# Altium PCB Computer_Board.PcbDoc (part 5 of 5)
Units mm, origin at the board's own origin, x right, y up, seen from the top; angles counter-clockwise.
Board outline 210 x 125 mm, 4 copper layers (Top Layer, Layer 1, Layer 2, Bottom Layer), stack 1.571 mm thick; 443 components, 406 nets, 2112 pads, 1064 vias.
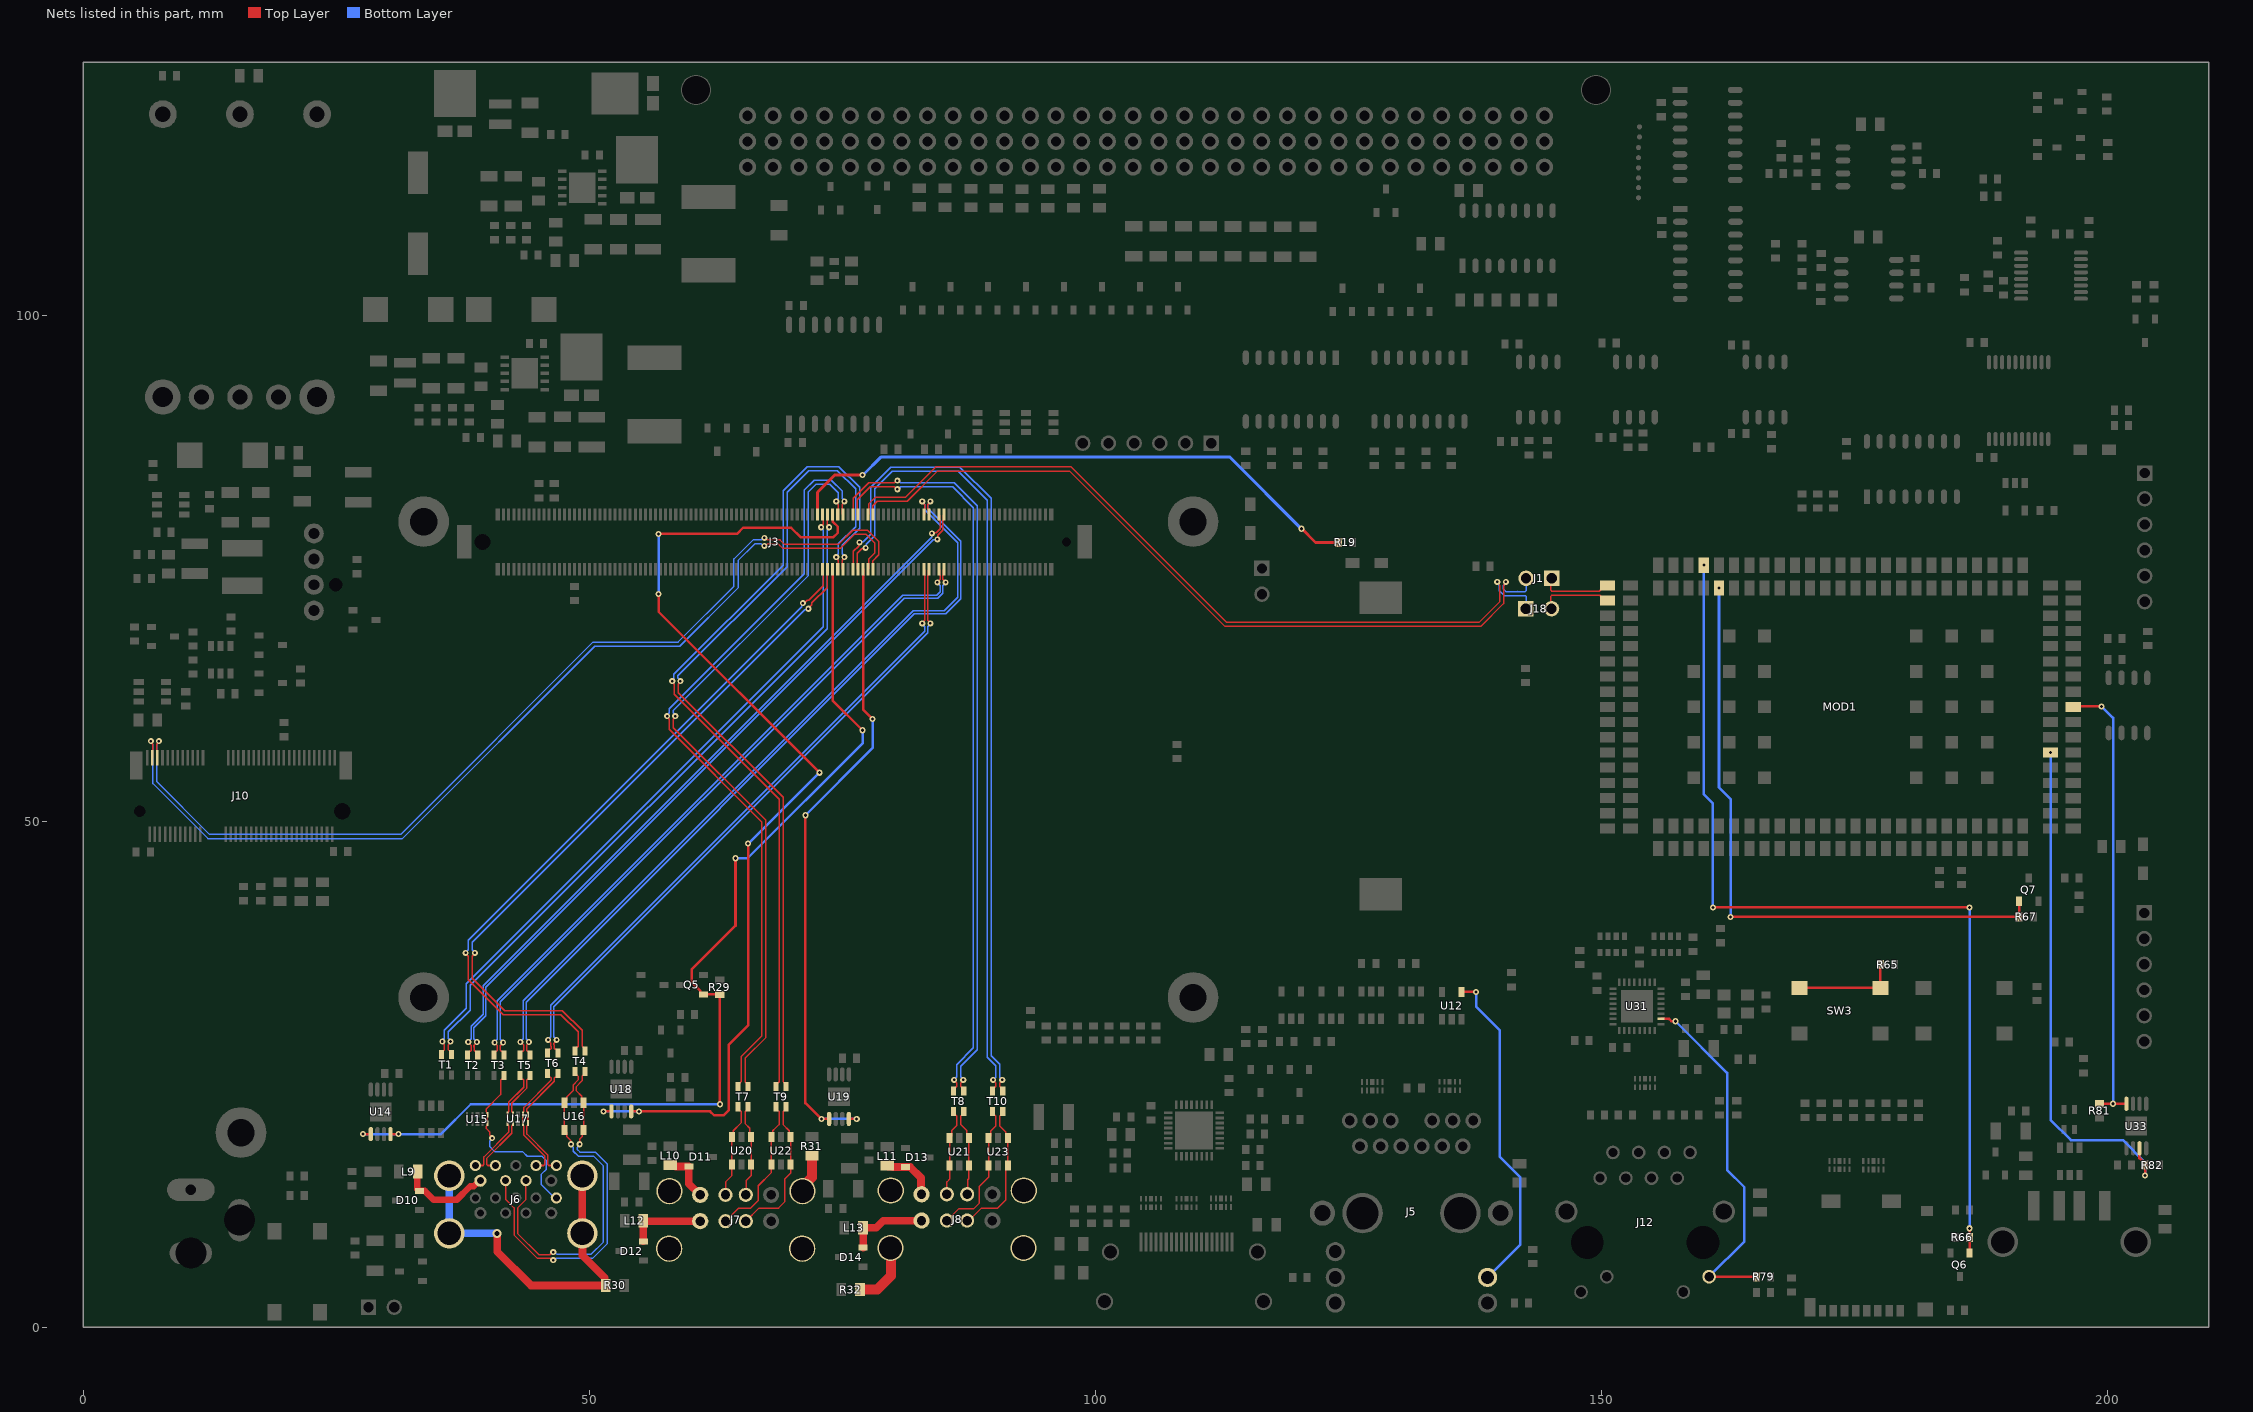
[diagram p7: the nets of this part, all layers, seen from the top]

## Via types
v1: diameter 0.6, hole 0.3, Top Layer to Bottom Layer, tented both sides, 853 vias
v2: diameter 0.6, hole 0.3, Top Layer to Bottom Layer, 91 vias
v3: diameter 0.6, hole 0.25, Top Layer to Bottom Layer, tented both sides, 88 vias
v4: diameter 0.5, hole 0.2, Top Layer to Bottom Layer, tented both sides, 20 vias
v5: diameter 0.45, hole 0.2, Top Layer to Bottom Layer, tented both sides, 5 vias
v6: diameter 0.8, hole 0.4, Top Layer to Bottom Layer, tented both sides, 4 vias
v7: diameter 0.9, hole 0.5, Top Layer to Bottom Layer, tented both sides, 3 vias

## Nets (pads, with @x,y where several pads share a name; then routed paths per layer and width w, separated by ;. In a path a pad name is that pad's centre, name@x,y a point inside that pad or via, vN(x,y) a via of type N, cw(c..) or ccw(c..) an arc to the next point about the centre after c; other vN are vias at no path point) (continued)
USB0_C_TX_P: J6.9 T3.2 U15.5 U15.6 | length 19
  Top Layer w0.15: v3(40.4,18.7) 40.4,18.783 40.17,19.013 40.17,19.318 39.845,19.643 39.845,19.881 39.95,19.985 U15.5@39.95,20.168 U15.6@39.95,21.004 39.95,21.187 39.845,21.292 39.845,21.603 41.25,23.008 41.25,23.88 41.25,24.437 41.338,24.525 41.405,24.525 41.58,24.7 T3.2@41.58,24.9
  Bottom Layer w0.15: v3(40.4,18.7) 40.4,18.617 40.17,18.387 40.17,17.88 40.705,17.345 43.455,17.345 43.878,16.922 45.328,16.922 45.75,16.5 45.75,15.6 45.25,15.1 45.25,14.15 46.6,12.8 J6.9@46.75,12.8
USB0_N: J3.A45 T1.1 | length 69.3
  Top Layer w0.14: J3.A45@73.55,80.3 73.495,80.245 73.495,79.362 73.7,79.157 v3(73.7,79.05)
  Top Layer w0.15: v3(36.3,28.25) 36.3,28.137 36.1,27.937 36.1,27.413 36.188,27.325 36.225,27.325 36.4,27.15 T1.1@36.4,26.95
  Bottom Layer w0.14: v3(36.3,28.25) 36.3,28.357 36.095,28.562 36.095,29.202 38.25,31.358 38.25,33.8 73.49,69.04 73.49,77.553 73.495,77.558 73.495,78.738 73.7,78.943 v3(73.7,79.05)
USB0_P: J3.A46 T1.4 | length 69.3
  Top Layer w0.14: v3(72.9,79.05) 72.9,79.157 73.105,79.362 73.105,80.245 J3.A46@73.05,80.3
  Top Layer w0.15: T1.4@35.4,26.95 35.4,27.15 35.575,27.325 35.612,27.325 35.7,27.413 35.7,27.937 35.5,28.137 v3(35.5,28.25)
  Bottom Layer w0.14: v3(35.5,28.25) 35.5,28.357 35.705,28.562 35.705,29.364 37.86,31.519 37.86,33.962 73.1,69.202 73.1,77.714 73.105,77.719 73.105,78.738 72.9,78.943 v3(72.9,79.05)
USB1_5V: D10.2 J6.10 L9.1 | length 9.2
  Top Layer w0.65: L9.1@33.05,15.4 33,15.35 33,13.65 33.243,13.5 D10.2@33.25,13.5 33.7,13.5 cw(c33.7,13.379) 33.785,13.465 34.65,12.6 36.9,12.6 38.25,13.95 38.594,13.95 39.144,14.5 J6.10@39.25,14.5
USB1_C_N: J6.11 T4.2 U16.1 U16.6 | length 36.7
  Top Layer w0.15: J6.11@41.75,14.5 41.75,12.633 42.575,11.808 42.575,9.145 44.893,6.826 46.003,6.826 46.013,6.836 46.142,6.836 46.328,6.65 v3(46.45,6.65) ; v3(49.05,18.1) 49.05,18.6 49.313,18.863 49.313,19.363 U16.6@49.45,19.5 U16.1@49.45,22.2 49.266,22.384 49.266,22.834 48.7,23.4 48.7,23.766 49.3,24.366 49.3,24.837 49.388,24.925 49.425,24.925 49.6,25.1 T4.2@49.6,25.3
  Bottom Layer w0.15: v3(46.45,6.65) 46.572,6.65 46.772,6.85 50.366,6.85 51.8,8.284 51.8,16.116 50.587,17.329 49.079,17.329 48.825,17.583 48.825,17.787 49.05,18.012 v3(49.05,18.1)
USB1_C_P: J6.12 T4.3 U16.3 U16.4 | length 35.6
  Top Layer w0.15: J6.12@43.75,14.5 43.75,12.633 42.925,11.808 42.925,9.29 45.038,7.176 45.858,7.176 45.868,7.186 46.098,7.186 46.362,7.45 v3(46.45,7.45) ; v3(48.2,18.1) 48.154,18.146 48.154,18.496 47.759,18.891 47.759,19.291 U16.4@47.55,19.5 U16.3@47.55,22.2 47.775,22.425 47.775,22.775 48.416,23.416 48.416,23.966 48.9,24.45 48.9,24.837 48.812,24.925 48.775,24.925 48.6,25.1 T4.3@48.6,25.3
  Bottom Layer w0.15: v3(46.45,7.45) 46.572,7.45 46.772,7.25 50.2,7.25 51.4,8.45 51.4,15.95 50.421,16.929 48.913,16.929 48.425,17.417 48.425,17.787 48.2,18.012 v3(48.2,18.1)
USB1_C_RX_N: J6.14 T5.3 U17.1 U17.10 | length 11.6
  Top Layer w0.15: J6.14@38.75,16 39.517,16 39.605,16.088 39.605,16.85 42.055,19.3 42.055,19.912 41.95,20.017 U17.1@41.95,20.2 U17.10@41.95,21.036 41.95,21.219 42.055,21.324 42.055,22.265 43.525,23.735 43.525,24.437 43.437,24.525 43.345,24.525 43.17,24.7 T5.3@43.17,24.9
USB1_C_RX_P: J6.15 T5.2 U17.2 U17.9 | length 11.6
  Top Layer w0.15: J6.15@40.75,16 39.983,16 39.895,16.088 39.895,16.73 42.345,19.18 42.345,19.913 42.45,20.017 U17.2@42.45,20.2 U17.9@42.45,21.036 42.45,21.219 42.345,21.324 42.345,22.145 43.815,23.615 43.815,24.437 43.903,24.525 43.995,24.525 44.17,24.7 T5.2@44.17,24.9
USB1_C_TX_N: J6.17 T6.3 U17.4 U17.7 | length 12.2
  Top Layer w0.15: J6.17@44.75,16 45.517,16 45.605,16.088 45.605,16.93 43.555,18.98 43.555,19.912 43.45,20.017 U17.4@43.45,20.2 U17.7@43.45,21.036 43.45,21.219 43.555,21.324 43.555,21.737 46.255,24.437 46.255,24.637 46.167,24.725 46.075,24.725 45.9,24.9 T6.3@45.9,25.1
USB1_C_TX_P: J6.18 T6.2 U17.5 U17.6 | length 12.2
  Top Layer w0.15: J6.18@46.75,16 45.983,16 45.895,16.088 45.895,17.05 43.845,19.1 43.845,19.913 43.95,20.017 U17.5@43.95,20.2 U17.6@43.95,21.036 43.95,21.219 43.845,21.324 43.845,21.617 46.545,24.317 46.545,24.637 46.633,24.725 46.725,24.725 46.9,24.9 T6.2@46.9,25.1
USB1_DRVVBUS: MOD1.107 R82.1 U33.3 | length 51.7
  Top Layer w0.25: U33.3@203.15,17.7 203.13,17.68 203.13,16.739 203.475,16.394 203.475,16.275 R82.1@203.7,16.05 ; v1(203.7,15) R82.1@203.7,16.05 ; R82.1@203.7,16.15 R82.1@203.7,16.05
  Bottom Layer w0.25: v1(194.35,56.8) 194.35,20.5 196.35,18.5 201.5,18.5 203.7,16.3 v1(203.7,15)
USB1_N: J3.B45 T4.1 | length 70.5
  Top Layer w0.14: v3(38.7,37) 38.7,36.943 38.445,36.688 38.445,34.495 41.65,31.29 47.362,31.29 49.295,29.357 49.295,27.762 49.377,27.68 49.42,27.68 49.6,27.5 T4.1@49.6,27.3 ; v3(71.65,71) 71.65,71.07 71.976,71.395 71.976,71.574 73.495,73.093 73.495,74.845 J3.B45@73.55,74.9
  Bottom Layer w0.14: v3(38.7,37) 38.7,37.057 38.445,37.312 38.445,38.069 71.292,70.916 71.566,70.916 v3(71.65,71)
USB1_OCn: MOD1.93 R81.2 U33.8 | length 45.2
  Top Layer w0.25: MOD1.93@196.6,61.3 196.65,61.35 v1(199.4,61.35) ; R81.2@199.2,22.1 v1(200.525,22.1) U33.8@201.85,22.1
  Bottom Layer w0.25: v1(199.4,61.35) 200.525,60.225 v1(200.525,22.1)
USB1_P: J3.B46 T4.4 | length 70.5
  Top Layer w0.14: v3(37.8,37) 37.8,36.943 38.055,36.688 38.055,34.333 41.488,30.9 47.2,30.9 48.905,29.195 48.905,27.762 48.823,27.68 48.78,27.68 48.6,27.5 T4.4@48.6,27.3 ; v3(71.1,71.55) 71.221,71.55 71.521,71.85 71.7,71.85 73.105,73.255 73.105,74.845 J3.B46@73.05,74.9
  Bottom Layer w0.14: v3(37.8,37) 37.8,37.057 38.055,37.312 38.055,38.231 71.016,71.192 71.016,71.466 v3(71.1,71.55)
USB2_5V: D11.2 J7.1 L10.1 | length 5.2
  Top Layer w0.75: L10.1@58,16.05 58.1,15.95 58.5,15.95 58.55,15.9 D11.2@59.85,15.9 59.85,14.216 J7.1@60.966,13.1
USB2_C_N: J7.2 T7.3 U20.1 U20.6 | length 9.5
  Top Layer w0.15: J7.2@63.466,13.1 63.466,14.366 64.1,15 U20.1@64.1,16.1 U20.6@64.1,18.8 64.237,18.937 64.237,19.437 65,20.2 65,21.337 64.912,21.425 64.875,21.425 64.7,21.6 T7.3@64.7,21.8
USB2_C_P: J7.3 T7.2 U20.3 U20.4 | length 9.3
  Top Layer w0.15: J7.3@65.466,13.1 65.5,13.134 65.5,14.5 66,15 U20.3@66,16.1 U20.4@66,18.8 65.863,18.937 65.863,19.687 65.4,20.15 65.4,21.337 65.488,21.425 65.525,21.425 65.7,21.6 T7.2@65.7,21.8
USB2_N: J3.A42 T7.4 | length 76.5
  Top Layer w0.15: v3(57.7,60.4) 57.7,60.287 57.9,60.087 57.9,59.084 67.05,49.934 67.05,28.8 65,26.75 65,24.263 64.912,24.175 64.875,24.175 64.7,24 T7.4@64.7,23.8 ; J3.A42@75.05,80.3 75,80.35 75,81.287 75.2,81.487 v3(75.2,81.6)
  Bottom Layer w0.15: v3(57.7,60.4) 57.7,60.513 57.9,60.713 57.9,61.108 71.25,74.458 71.25,82.716 72.234,83.7 73.916,83.7 75,82.616 75,81.913 75.2,81.713 v3(75.2,81.6)
USB2_P: J3.A43 T7.1 | length 75.2
  Top Layer w0.15: v3(58.5,60.4) 58.5,60.287 58.3,60.087 58.3,59.25 67.45,50.1 67.45,28.634 65.4,26.584 65.4,24.263 65.488,24.175 65.525,24.175 65.7,24 T7.1@65.7,23.8 ; v3(74.4,81.6) 74.4,81.487 74.6,81.287 74.6,80.35 J3.A43@74.55,80.3
  Bottom Layer w0.15: v3(58.5,60.4) 58.5,60.513 58.3,60.713 58.3,60.942 71.65,74.292 71.65,82.55 72.4,83.3 73.75,83.3 74.6,82.45 74.6,81.913 74.4,81.713 v3(74.4,81.6)
USB3_5V: D12.2 J7.5 L12.1 | length 7.7
  Top Layer w0.75: D12.2@55.35,8.5 L12.1@55.35,10.55 55.4,10.5 J7.5@60.966,10.5
USB3_C_N: J7.6 T9.3 U22.1 U22.6 | length 14.3
  Top Layer w0.15: J7.6@63.466,10.5 64.766,11.8 65.95,11.8 66.7,12.55 66.7,14 68,15.3 U22.1@68,16.1 U22.6@68,18.8 68.137,18.937 68.137,19.437 68.4,19.7 68.75,20.05 68.75,21.337 68.662,21.425 68.625,21.425 68.45,21.6 T9.3@68.45,21.8
USB3_C_P: J7.7 T9.2 U22.3 U22.4 | length 14.7
  Top Layer w0.15: J7.7@65.466,10.5 66.766,11.8 68.7,11.8 69.3,12.4 69.3,14.65 69.9,15.25 U22.3@69.9,16.1 U22.4@69.9,18.8 69.763,18.937 69.763,19.437 69.15,20.05 69.15,21.337 69.238,21.425 69.275,21.425 69.45,21.6 T9.2@69.45,21.8
USB3_N: J3.B42 T9.4 | length 86.3
  Top Layer w0.14: v3(58.2,63.85) 58.2,63.743 58.405,63.538 58.405,62.543 68.755,52.193 68.755,24.262 68.673,24.18 68.63,24.18 68.45,24 T9.4@68.45,23.8 ; J3.B42@75.05,74.9 74.995,74.955 74.995,75.788 75.2,75.993 v3(75.2,76.1)
  Bottom Layer w0.14: v3(58.2,63.85) 58.2,63.974 58.365,64.139 58.365,64.516 69.16,75.312 69.16,82.662 71.538,85.04 74.662,85.04 76.7,83.002 76.7,78.95 74.995,77.245 74.995,76.412 75.2,76.207 v3(75.2,76.1)
USB3_P: J3.B43 T9.1 | length 85
  Top Layer w0.14: v3(59,63.85) 59,63.743 58.795,63.538 58.795,62.705 69.145,52.355 69.145,24.262 69.227,24.18 69.27,24.18 69.45,24 T9.1@69.45,23.8 ; v3(74.4,76.1) 74.4,75.993 74.605,75.788 74.605,74.955 J3.B43@74.55,74.9
  Bottom Layer w0.14: v3(59,63.85) 59,63.95 58.755,64.195 58.755,64.355 69.55,75.15 69.55,82.5 71.7,84.65 74.5,84.65 76.31,82.84 76.31,79.112 74.605,77.407 74.605,76.412 74.4,76.207 v3(74.4,76.1)
USB4_5V: D13.2 J8.1 L11.1 | length 5.5
  Top Layer w0.75: L11.1@79.45,16 79.55,15.9 79.95,15.9 80,15.85 81.7,15.85 82.774,14.776 82.774,13.216 J8.1@82.83,13.16
USB4_C_N: J8.2 T8.3 U21.1 U21.6 | length 8.7
  Top Layer w0.15: J8.2@85.33,13.16 85.33,14.38 85.6,14.65 U21.1@85.6,16 U21.6@85.6,18.7 85.825,18.925 85.825,19.475 86.3,19.95 86.3,20.887 86.212,20.975 86.175,20.975 86,21.15 T8.3@86,21.35
USB4_C_P: J8.3 T8.2 U21.3 U21.4 | length 8.7
  Top Layer w0.15: T8.2@87,21.35 87,21.15 86.825,20.975 86.788,20.975 86.7,20.887 86.7,20.05 87.275,19.475 87.275,18.925 U21.4@87.5,18.7 U21.3@87.5,16 87.5,14.7 87.4,14.6 87.4,13.23 J8.3@87.33,13.16
USB4_N: J3.A39 T8.4 | length 73.2
  Top Layer w0.14: J3.A39@76.55,80.3 76.495,80.355 76.495,81.745 77.78,83.03 ; 80.138,83.03 80.368,82.8 v3(80.45,82.8)
  Top Layer w0.15: 77.78,83.03 78.754,83.03 78.759,83.025 80.133,83.025 80.138,83.03 ; T8.4@86,23.35 86,23.55 86.175,23.725 86.212,23.725 86.3,23.813 86.3,24.137 86.05,24.387 v3(86.05,24.45)
  Bottom Layer w0.14: v3(80.45,82.8) 80.532,82.8 80.762,83.03 ; 81.262,83.03 85.92,83.03 87.96,80.99 87.96,27.612 86.305,25.957 86.305,24.762 86.05,24.507 v3(86.05,24.45)
  Bottom Layer w0.15: 80.762,83.03 81.262,83.03
USB4_P: J3.A40 T8.1 | length 74.5
  Top Layer w0.14: J3.A40@76.05,80.3 76.105,80.355 76.105,81.907 77.618,83.42 ; 80.138,83.42 80.368,83.65 v3(80.45,83.65)
  Top Layer w0.15: 77.618,83.42 77.628,83.43 78.92,83.43 78.925,83.425 79.933,83.425 79.938,83.42 80.138,83.42 ; v3(86.95,24.45) 86.95,24.387 86.7,24.137 86.7,23.813 86.788,23.725 86.825,23.725 87,23.55 T8.1@87,23.35
  Bottom Layer w0.14: v3(80.45,83.65) 80.532,83.65 80.762,83.42 ; 81.262,83.42 86.082,83.42 88.35,81.152 88.35,27.45 86.695,25.795 86.695,24.762 86.95,24.507 v3(86.95,24.45)
  Bottom Layer w0.15: 80.762,83.42 81.262,83.42
USB5_5V: D14.2 J8.5 L13.1 | length 8
  Top Layer w0.75: D14.2@77.05,7.9 L13.1@77.05,9.85 78.35,9.85 79.06,10.56 J8.5@82.83,10.56
USB5_C_N: J8.6 T10.3 U23.1 U23.6 | length 13.8
  Top Layer w0.15: J8.6@85.33,10.56 86.52,11.75 88,11.75 88.55,12.3 88.55,13.95 89.45,14.85 U23.1@89.45,16 U23.6@89.45,18.7 89.659,18.909 89.659,19.409 90.15,19.9 90.15,20.887 90.062,20.975 90.025,20.975 89.85,21.15 T10.3@89.85,21.35
USB5_C_P: J8.7 T10.2 U23.3 U23.4 | length 14
  Top Layer w0.15: J8.7@87.33,10.56 87.51,10.56 88.75,11.8 90.35,11.8 91.15,12.6 91.15,15.8 U23.3@91.35,16 U23.4@91.35,18.7 91.141,18.909 91.141,19.309 90.55,19.9 90.55,20.887 90.638,20.975 90.675,20.975 90.85,21.15 T10.2@90.85,21.35
USB5_N: J3.B39 T10.4 | length 80.9
  Top Layer w0.14: J3.B39@76.55,74.9 76.495,74.955 76.495,76.494 76.93,76.929 77.229,76.929 v3(77.3,77)
  Top Layer w0.15: T10.4@89.85,23.35 89.85,23.55 90.025,23.725 90.062,23.725 90.15,23.813 90.15,24.137 v3@89.9,24.387
  Bottom Layer w0.14: v3(77.3,77) 77.371,77.071 77.371,77.37 77.806,77.805 ; 77.806,77.805 78.2,78.198 78.2,82.85 79.95,84.6 86.448,84.6 89.31,81.738 89.31,54.408 89.31,26.688 90.16,25.838 90.16,24.71
  Bottom Layer w0.15: v3(89.9,24.45) 90.16,24.71
USB5_P: J3.B40 T10.1 | length 82.2
  Top Layer w0.14: J3.B40@76.05,74.9 76.105,74.955 76.105,76.656 76.629,77.18 76.629,77.479 v3(76.7,77.55)
  Top Layer w0.15: v3@90.8,24.387 90.55,24.137 90.55,23.813 90.638,23.725 90.675,23.725 90.85,23.55 T10.1@90.85,23.35
  Bottom Layer w0.14: v3(76.7,77.55) 76.771,77.621 77.07,77.621 77.644,78.195 ; 77.645,78.195 77.81,78.36 77.81,83.012 79.788,84.99 86.61,84.99 89.7,81.9 89.7,54.247 89.7,26.85 90.55,26 90.55,24.7
  Bottom Layer w0.15: 90.55,24.7 v3(90.8,24.45)
USB6_BBB_N: J18.2 MOD1.2 | length 7.1
  Top Layer w0.15: J18.2@145,71 145,72.243 145.088,72.331 149.819,72.331 150.35,71.8 MOD1.2@150.6,71.8
USB6_BBB_P: J1.1 MOD1.1 | length 7
  Top Layer w0.15: J1.1@145.03,73.95 145,73.92 145,72.819 145.088,72.731 149.781,72.731 150.35,73.3 MOD1.1@150.6,73.3
USB6_N: J1.2 J3.A36 | length 78.9
  Top Layer w0.15: J3.A36@78.05,80.3 78,80.35 78,81.171 78.448,81.619 81.419,81.619 84.4,84.6 97.45,84.6 112.8,69.25 138.066,69.25 140.325,71.509 140.325,73.337 140.55,73.562 v3(140.55,73.65)
  Bottom Layer w0.15: 140.3,73.3 v3@140.55,73.55 ; v3(140.55,73.65) v3@140.55,73.55 ; 141.668,72.7 141.672,72.696 ; J1.2@142.54,74 142.54,72.784 142.452,72.696 141.672,72.696 ; v3@140.55,73.55 140.55,73.528 140.3,73.278 140.3,72.95 140.554,72.696 141.672,72.696
USB6_P: J3.A37 J18.1 | length 79.2
  Top Layer w0.15: J3.A37@77.55,80.3 77.6,80.35 77.6,81.337 78.282,82.019 81.254,82.019 84.234,85 97.616,85 112.966,69.65 137.9,69.65 139.925,71.675 139.925,73.337 139.7,73.562 v3(139.7,73.65)
  Bottom Layer w0.15: v3(139.7,73.65) 139.7,73.528 139.9,73.328 139.9,73.116 139.9,72.784 140.388,72.296 141.506,72.296 ; 141.502,72.3 141.506,72.296 ; J18.1@142.52,71 142.54,71.02 142.54,72.208 142.452,72.296 141.506,72.296
USB7_N: J3.B36 J10.5 | length 97.3
  Top Layer w0.14: J10.5@7.35,56.275 7.295,56.33 7.295,57.062 7.295,57.601 7.5,57.806 v3(7.5,57.913)
  Top Layer w0.15: v3(67.3,78) 67.413,78 67.613,77.8 68.85,77.8 69.3,77.35 74.634,77.35 76.034,78.75 77.5,78.75 78.6,77.65 78.6,76.325 78,75.725 78,74.95 J3.B36@78.05,74.9
  Bottom Layer w0.15: v3(7.5,57.913) 7.5,57.8 7.3,57.6 7.3,53.9 12.5,48.7 31.384,48.7 50.384,67.7 58.784,67.7 64.3,73.216 64.3,75.916 66.184,77.8 66.987,77.8 67.187,78 v3(67.3,78)
USB7_P: J3.B37 J10.3 | length 97.3
  Top Layer w0.14: v3(6.7,57.913) 6.7,57.806 6.905,57.601 6.905,56.33 J10.3@6.85,56.275
  Top Layer w0.15: v3(67.3,77.2) 67.413,77.2 67.613,77.4 68.684,77.4 69.134,76.95 74.8,76.95 76.2,78.35 77.334,78.35 78.2,77.484 78.2,76.491 77.6,75.891 77.6,74.95 J3.B37@77.55,74.9
  Bottom Layer w0.15: v3(6.7,57.913) 6.7,57.8 6.9,57.6 6.9,53.734 12.334,48.3 31.55,48.3 50.55,67.3 58.95,67.3 64.7,73.05 64.7,75.75 66.35,77.4 66.987,77.4 67.187,77.2 v3(67.3,77.2)
USB_0_1_OC#: J3.B44 Q5.1 R29.1 U14.5 U14.8 | length 101.9
  Top Layer w0.25: v1(27.65,19.1) U14.5@28.425,19.1 ; U14.8@30.375,19.1 v1(31.15,19.1) ; v1(62.9,22.05) R29.1@62.9,32.9 Q5.1@61.3,32.9 61.15,32.9 60.975,33.075 60.975,33.225 60.15,34.05 60.15,35.4 64.45,39.7 v1(64.45,46.35) ; J3.B44@74.05,74.9 74.05,61.944 v1(77,58.994)
  Bottom Layer w0.25: v1(27.65,19.1) v1(31.15,19.1) 35.35,19.1 38.3,22.05 v1(62.9,22.05) ; v1(64.45,46.35) 65.65,46.35 77,57.7 v1(77,58.994)
USB_0_1_SHLD: J6.19 R30.2 | length 36.1
  Top Layer w0.75: v7(40.9,9.3) 40.9,7.5 44.25,4.15 R30.2@51.625,4.15 51.525,4.25 51.525,4.925 49.336,7.114 49.336,9.284 J6.19@49.32,9.3 J6.19@49.32,14.99
  Bottom Layer w0.75: J6.19@36.18,14.99 J6.19@36.18,9.3 v7(40.9,9.3)
USB_2_3_OC#: J3.A44 U18.5 U18.8 | length 102.1
  Top Layer w0.25: v1(51.425,21.35) U18.5@52.2,21.35 ; U18.8@54.15,21.35 v1(54.925,21.35) 61.95,21.35 62.35,20.95 63.25,20.95 63.8,21.5 63.8,27.95 65.7,29.85 v1(65.7,47.8) ; v1(56.85,72.45) 56.85,70.7 v1(72.75,54.8) ; v1(56.85,78.4) 64.6,78.4 65.2,79 69.95,79 70.9,78.05 74.1,78.05 74.55,78.5 74.55,79.1 74.075,79.575 74.075,80.275 J3.A44@74.05,80.3
  Bottom Layer w0.25: v1(51.425,21.35) v1(54.925,21.35) ; v1(56.85,72.45) v1(56.85,78.4) ; v1(65.7,47.8) 65.75,47.8 v1(72.75,54.8)
USB_2_3_SHLD: J7.9 R31.2 | length 3.6
  Top Layer w1: J7.9@71.066,13.47 71.066,13.903 72,14.837 R31.2@72,16.7
USB_4_5_OC#: J3.B38 U19.5 U19.8 | length 63.2
  Top Layer w0.25: v1(71.35,50.6) 71.35,22.175 v1(72.925,20.6) U19.5@73.7,20.6 ; U19.8@75.65,20.6 v1(76.425,20.6) ; J3.B38@77.05,74.9 77.05,61.05 v1(78,60.1)
  Bottom Layer w0.25: v1(71.35,50.6) 78,57.25 v1(78,60.1) ; v1(72.925,20.6) v1(76.425,20.6)
USB_4_5_SHLD: J8.9 R32.2 | length 6.4
  Top Layer w1: R32.2@76.775,3.75 78.45,3.75 79.805,5.105 79.805,7.805 J8.9@79.76,7.85
  Bottom Layer w1: J8.9@79.76,7.85 J8.9@79.775,7.865 ; J8.9@79.775,13.515 J8.9@79.79,13.53 ; J8.9@92.9,7.85 J8.9@92.915,7.865 ; J8.9@92.915,13.515 J8.9@92.93,13.53
USB_SSRX0_N: J3.A22 T2.1 | length 73.3
  Top Layer w0.14: v3(84.4,77.85) 84.432,77.882 84.432,78.259 84.94,78.767 84.94,79.688 84.97,79.718 84.97,80.22 J3.A22@85.05,80.3
  Top Layer w0.15: v3(38.9,28.2) 38.9,28.167 38.62,27.887 38.62,27.702 38.635,27.687 38.635,27.363 38.723,27.275 38.815,27.275 38.99,27.1 T2.1@38.99,26.9
  Bottom Layer w0.14: v3(38.9,28.2) 38.9,28.227 38.615,28.512 38.615,29.624 39.8,30.809 39.8,33.627 83.991,77.818 84.368,77.818 v3(84.4,77.85)
USB_SSRX0_P: J3.A23 T2.4 | length 73.3
  Top Layer w0.14: v3(83.85,78.45) 83.882,78.482 84.259,78.482 84.66,78.883 84.66,79.688 84.63,79.718 84.63,80.22 J3.A23@84.55,80.3
  Top Layer w0.15: T2.4@37.99,26.9 37.99,27.1 38.165,27.275 38.257,27.275 38.345,27.363 38.345,27.567 38.33,27.582 38.33,27.887 38.05,28.167 v3(38.05,28.2)
  Bottom Layer w0.14: v3(38.05,28.2) 38.05,28.227 38.335,28.512 38.335,29.739 39.52,30.924 39.52,33.743 83.818,78.041 83.818,78.418 v3(83.85,78.45)
USB_SSRX1_N: J3.A25 T5.1 | length 77.6
  Top Layer w0.14: J3.A25@83.55,80.3 83.47,80.38 83.47,80.882 83.44,80.912 83.44,81.288 83.7,81.548 v3(83.7,81.6)
  Top Layer w0.15: v3(44.05,28.2) 44.05,28.135 43.815,27.9 43.815,27.363 43.903,27.275 43.995,27.275 44.17,27.1 T5.1@44.17,26.9
  Bottom Layer w0.14: v3(44.05,28.2) 44.05,28.227 43.765,28.512 43.765,32.149 82.116,70.5 85.2,70.5 86.7,72 86.7,77.65 83.44,80.91 83.44,81.288 83.7,81.548 v3(83.7,81.6)
USB_SSRX1_P: J3.A26 T5.4 | length 77.7
  Top Layer w0.14: v3(82.9,81.6) 82.9,81.548 83.16,81.288 83.16,80.912 83.13,80.882 83.13,80.38 J3.A26@83.05,80.3
  Top Layer w0.15: T5.4@43.17,26.9 43.17,27.1 43.345,27.275 43.437,27.275 43.525,27.363 43.525,27.9 43.225,28.2 v3(43.2,28.2)
  Bottom Layer w0.14: v3(43.2,28.2) 43.2,28.227 43.485,28.512 43.485,32.265 82,70.78 85.084,70.78 86.42,72.116 86.42,77.534 83.16,80.794 83.16,81.288 82.9,81.548 v3(82.9,81.6)
USB_SSTX0_N: J3.B22 T3.1 | length 68.8
  Top Layer w0.14: J3.B22@85.05,74.9 84.97,74.82 84.97,74.318 84.94,74.288 84.94,73.912 85.2,73.652 v3(85.2,73.6)
  Top Layer w0.15: v3(41.5,28.15) 41.5,28.117 41.22,27.837 41.22,27.688 41.225,27.683 41.225,27.363 41.313,27.275 41.405,27.275 41.58,27.1 T3.1@41.58,26.9
  Bottom Layer w0.14: v3(41.5,28.15) 41.5,28.177 41.215,28.462 41.215,32.165 81.1,72.05 84.45,72.05 84.94,72.54 84.94,73.288 85.2,73.548 v3(85.2,73.6)
USB_SSTX0_P: J3.B23 T3.4 | length 68.8
  Top Layer w0.14: v3(84.4,73.6) 84.4,73.652 84.66,73.912 84.66,74.288 84.63,74.318 84.63,74.82 J3.B23@84.55,74.9
  Top Layer w0.15: T3.4@40.58,26.9 40.58,27.1 40.755,27.275 40.847,27.275 40.935,27.363 40.935,27.563 40.93,27.568 40.93,27.837 40.65,28.117 v3(40.65,28.15)
  Bottom Layer w0.14: v3(40.65,28.15) 40.65,28.177 40.935,28.462 40.935,32.281 80.984,72.33 84.334,72.33 84.66,72.656 84.66,73.288 84.4,73.548 v3(84.4,73.6)
USB_SSTX1_N: J3.B25 T6.1 | length 63.8
  Top Layer w0.14: J3.B25@83.55,74.9 83.47,74.82 83.47,74.318 83.44,74.288 83.44,69.862 83.7,69.602 v3(83.7,69.55)
  Top Layer w0.15: v3(46.79,28.4) 46.79,28.367 46.51,28.087 46.51,27.918 46.545,27.883 46.545,27.563 46.633,27.475 46.725,27.475 46.9,27.3 T6.1@46.9,27.1
  Bottom Layer w0.14: v3(46.79,28.4) 46.79,28.427 46.505,28.712 46.505,31.705 83.44,68.64 83.44,69.238 83.7,69.498 v3(83.7,69.55)
USB_SSTX1_P: J3.B26 T6.4 | length 63.8
  Top Layer w0.14: v3(82.9,69.55) 82.9,69.602 83.16,69.862 83.16,74.288 83.13,74.318 83.13,74.82 J3.B26@83.05,74.9
  Top Layer w0.15: T6.4@45.9,27.1 45.9,27.3 46.075,27.475 46.167,27.475 46.255,27.563 46.255,27.763 46.22,27.798 46.22,28.087 45.94,28.367 v3(45.94,28.4)
  Bottom Layer w0.14: v3(45.94,28.4) 45.94,28.427 46.225,28.712 46.225,31.821 83.16,68.756 83.16,69.238 82.9,69.498 v3(82.9,69.55)
uSD_BOOT: R65.1 SW3.3 SW3.4 | length 10.3
  Top Layer w0.25: SW3.4@169.55,33.55 SW3.3@177.55,33.55 R65.1@177.55,35.85
USER0: MOD1.164 Q7.1 R67.1 | length 63
  Top Layer w0.25: v1(162.75,40.55) R67.1@191.25,40.55 Q7.1@191.25,42.1
  Bottom Layer w0.25: v1(161.6,73.05) 161.6,53.35 162.75,52.2 v1(162.75,40.55)
USER1: MOD1.140 Q6.1 R66.1 | length 93.6
  Top Layer w0.25: v1(161,41.5) v1(186.35,41.5) ; Q6.1@186.35,7.35 R66.1@186.35,8.9 ; R66.1@186.35,8.95 v1(186.35,9.8)
  Bottom Layer w0.25: v1(160.1,75.3) 160.1,52.65 161,51.75 v1(161,41.5) ; v1(186.35,9.8) v1(186.35,41.5)
VCC_RTC: J3.A47 R19.2 | length 58.6
  Top Layer w0.3: J3.A47@72.55,80.3 72.55,82.5 74.25,84.2 v1(77,84.2) ; v1(120.35,78.9) 120.4,78.9 121.75,77.55 R19.2@124,77.55
  Bottom Layer w0.3: v1(77,84.2) 77.05,84.2 78.85,86 113.25,86 v1(120.35,78.9)
YEL_A: J12.9 R79.1 U31.2 | length 35.7
  Top Layer w0.25: U31.2@155.875,30.475 156.675,30.475 156.9,30.25 v1(157.3,30.25) ; J12.9@160.625,5.02 165.28,5.02 R79.1@165.3,5
  Bottom Layer w0.25: v1(157.3,30.25) 162.4,25.15 162.4,15.55 164.1,13.85 164.1,8.495 J12.9@160.625,5.02
YEL_K: J5.13 U12.4 | length 32.8
  Top Layer w0.25: U12.4@136.15,33.15 v1(137.6,33.15)
  Bottom Layer w0.25: v1(137.6,33.15) 137.6,31.7 139.95,29.35 139.95,16.85 141.95,14.85 141.95,8.16 J5.13@138.74,4.95
pads on no net: D9.1 D10.1 D11.1 D12.1 D13.1 D14.1 D21.1 D24.1 D25.1 J2.0 J2.A24 J2.A25 J2.A26 J2.A27 J2.A28 J2.A29 J2.A30 J2.A31 J2.A32 J2.B24 J2.B25 J2.B26 J2.B27 J2.B28 J2.B29 J2.B30 J2.B31 J2.B32 J2.C25 J2.C26 J2.C27 J2.C28 J2.C29 J2.C30 J2.C31 J2.C32 J3.0 J3.A15 J3.A16 J3.A17 J3.A18 J3.A19 J3.A20 J3.A24 J3.A27 J3.A28 J3.A29 J3.A30 J3.A32 J3.A33 J3.A34 J3.A35 J3.A38 J3.A50 J3.A52 J3.A53 J3.A54 J3.A55 J3.A56 J3.A58 J3.A59 J3.A61 J3.A62 J3.A63 J3.A64 J3.A65 J3.A67 J3.A71 J3.A72 J3.A73 J3.A74 J3.A75 J3.A76 J3.A77 J3.A78 J3.A79 J3.A81 J3.A82 J3.A83 J3.A84 J3.A85 J3.A86 J3.A87 J3.A91 J3.A92 J3.A93 J3.A94 J3.A95 J3.A96 J3.A97 J3.A103 J3.B3 J3.B4 J3.B5 J3.B6 J3.B7 J3.B8 J3.B9 J3.B10 J3.B16 J3.B17 J3.B18 J3.B19 J3.B20 J3.B24 J3.B27 J3.B28 J3.B29 J3.B30 J3.B32 J3.B33 J3.B34 J3.B35 J3.B47 J3.B48 J3.B52 J3.B53 J3.B54 J3.B55 J3.B56 J3.B57 J3.B58 J3.B59 J3.B61 J3.B62 J3.B63 J3.B64 J3.B65 J3.B67 J3.B77 J3.B78 J3.B79 J3.B83 J3.B88 J3.B91 J3.B92 J3.B93 J3.B94 J3.B96 J3.B97 J3.B103 J4.0 J9.13 J9.14 J10.0 J10.6 J10.8 J10.9 J10.10 J10.11 J10.12 J10.13 J10.14 J10.15 J10.16 J10.17 J10.19 J10.20 J10.21 J10.22 J10.23 J10.32 J10.34 J10.36 J10.38 J10.40 J10.42 J10.44 J10.46 J10.48 J10.50 J10.59 J10.61 J10.64 J10.65 J10.66 J10.67 J10.68 J10.70 J10.71 J10.73 J12.0 J12.7 MOD1.13 MOD1.14 MOD1.15 MOD1.16 MOD1.30 MOD1.31 MOD1.32 MOD1.33 MOD1.38 MOD1.39 MOD1.43 MOD1.49 MOD1.50 MOD1.51 MOD1.52 MOD1.53 MOD1.54 MOD1.56 MOD1.57 MOD1.58 MOD1.59 MOD1.60 MOD1.61 MOD1.62 MOD1.68 MOD1.77 MOD1.78 MOD1.79 MOD1.82 MOD1.83 MOD1.84 MOD1.85 MOD1.87 MOD1.94 MOD1.96 MOD1.97 MOD1.98 MOD1.99 MOD1.100 MOD1.101 MOD1.108 MOD1.111 MOD1.112 MOD1.113 MOD1.114 MOD1.115 MOD1.116 MOD1.117 MOD1.118 MOD1.120 MOD1.122 MOD1.123 MOD1.124 MOD1.125 MOD1.126 MOD1.127 MOD1.128 MOD1.129 MOD1.130 MOD1.131 MOD1.133 MOD1.135 MOD1.136 MOD1.141 MOD1.142 MOD1.143 MOD1.144 MOD1.145 MOD1.146 MOD1.151 MOD1.154 MOD1.155 MOD1.156 MOD1.162 MOD1.165 MOD1.167 MOD1.168 MOD1.A3 MOD1.B3 MOD1.B4 MOD1.C2 MOD1.C3 MOD1.C4 MOD1.C5 MOD1.G3 MOD1.H1 MOD1.I1 MOD1.I3 MOD1.I5 RN2.4 RN2.5 U1.3 U1.10 U2.6 U4.3 U4.10 U25.3 U25.23 U25.24 U29.1 U29.10 U33.5 U33.6 U35.4 U35.5 U35.11 U35.14 U37.7 U37.9 U37.10 U37.11 U37.12 U46.9 U46.10 U46.11 U46.12 U47.3 U47.14 U48.9 U48.10 U48.11 U48.12 U50.7 U50.8 U50.9 U50.10
copper on no net:
  other v2: 146.25,101.5

## Polygon pours and split planes (outlines as drawn)
+5 on Layer 1 "L1-5V" (solid, pour order 7): 2.75,125 2.75,105.75 48.45,105.75 53.05,101.15 61.8,101.15 68.55,94.4 207.3,94.4 207.3,125
+3.3 on Layer 1 "Layer 1-3V3" (solid, pour order 2): 47.35,102.851 51.75,98.45 59.8,98.45 66.8,91.45 210,91.45 210,0 4.85,0 4.85,102.45 4.85,102.861
+5_SBY on Layer 1 "L1_+5_SBY" (solid, pour order 1): 204.85,55.5 203,53.65 191.45,53.65 190.7,52.9 190.7,51.75 191.45,51 203.047,51.003 204.85,49.2 204.85,17.3 209.45,17.3 209.45,87.95 204.65,92.75 56.65,92.75 51.8,87.9 51.8,85.45 55.6,85.45 58.5,88.35 202.25,88.35 204.85,85.75
GND on Layer 2 "L2-GND" (solid, pour order 5): 2.75,125 2.75,105.75 48.45,105.75 53.05,101.15 61.8,101.15 68.55,94.4 207.3,94.4 207.3,125
DGND on Layer 2 "Layer 2-DGND" (solid, pour order 0): 47.45,102.902 47.45,102.8 51.8,98.45 59.75,98.45 66.8,91.4 210,91.4 210,0 4.85,0 4.85,102.45 4.85,102.912
DGND on Top Layer "Top-DGND" (solid, pour order 6): 47.45,102.851 51.751,98.55 59.7,98.55 66.8,91.45 207.5,91.45 207.5,0 2.65,0 2.65,102.862
GND on Top Layer "Top-GND" (solid, pour order 3): 2.75,125 2.75,105.75 48.45,105.75 53.05,101.15 61.8,101.15 68.55,94.4 207.3,94.4 207.3,125
GND on Bottom Layer "Bottom-GND" (solid, pour order 8): 2.75,125 2.75,105.75 48.45,105.75 53.05,101.15 61.8,101.15 68.55,94.4 207.3,94.4 207.3,125

## Other copper
Top Layer:
  region net +3.3: 114.7,77.1 114.7,78.2 114.8,78.3 115.8,78.3 115.9,78.2 115.9,77.1
  region net HDMI_CHASSIS: 99.95,1.6 117.55,1.6 117.55,7.9 116.5,8.95 116.5,10.8 115,10.8 115,5.05 102.55,5.05 102.55,7.75 101.85,8.45 99.95,8.45
  region net +5: 120.1,106.3 120.1,104.55 121.9,104.55 121.9,106.3
  region net +5: 117.6,106.3 117.6,104.55 119.4,104.55 119.4,106.3
  region net +5: 115.15,106.3 115.15,104.55 116.95,104.55 116.95,106.3
  region net +5: 112.7,106.325 112.7,104.575 114.5,104.575 114.5,106.325
  region net 5V_E: 112.05,108.25 112.05,109.85 111.9,110 110.25,110 110.25,108.25
  region net 5V_D: 109.6,108.25 109.6,110 107.8,110 107.8,108.25
  region net 5V_C: 107.1,108.25 107.1,110 105.3,110 105.3,108.25
  region net 5V_B: 104.7,108.25 104.7,110 102.9,110 102.9,108.25
  region net +5: 110.25,106.35 110.25,104.6 112.05,104.6 112.05,106.35
  region net +5: 107.8,106.35 107.8,104.6 109.6,104.6 109.6,106.35
  region net +5: 105.3,106.35 105.3,104.6 107.1,104.6 107.1,106.35
  region net +5: 102.9,106.35 102.9,104.6 104.7,104.6 104.7,106.35
  region net 5V_A: 69.65,110.3 69.65,112.05 67.85,112.05 67.85,110.3
  region net +5: 67.85,108.4 67.85,106.65 69.65,106.65 69.65,108.4
  region net NetC21_1: 47.8,113.2 46.8,113.2 46.3,112.7 39.7,112.7 39.25,113.15 39.25,114.3 46.1,114.3 46.8,113.6 47.8,113.6
  region net NetC2_1: 40.35,95.85 40.35,101.8 34.1,101.8 34.1,97.25 33.3,96.45 30.7,96.45 30.7,94.85 38.05,94.85 38.55,94.35 40.5,94.35 41,94.85 42.1,94.85 42.1,95.25 40.95,95.25
  region net NetC1_2: 47.5,93.5 51.3,93.5 52.35,94.55 59.1,94.55 59.1,97.25 58.15,98.2 47,98.2 46.6,97.8 46.6,95.7 46.15,95.25 45.15,95.25 45.15,94.85 46.15,94.85
  region net +5_SBY: 42.3,87.6 42.3,88.2 43.3,88.2 43.9,87.6 44.2,87.6 51.2,87.6 53.35,89.75 59.1,89.75 59.1,87.25 57.3,85.45 54.95,85.45 52.55,85.45 51.45,85.45 43.65,85.45 42.3,86.8
  region net +5_SBY: 75.575,27.275 75.9,27.6 75.9,28.95 74.1,28.95 74.1,26.525 74.775,25.85 74.775,24.25 75.225,24.25 75.225,25.7 75.575,26.05
  region net +5_SBY: 54.075,27.875 54.4,28.2 54.4,28.95 54.075,28.95 52.6,28.95 52.6,27.275 53.275,26.6 53.275,25 53.725,25 53.725,26.45 54.075,26.8
  region net +3.3: 18.25,74.1 13.3,74.1 12.4,75 12.35,74.95 6.4,74.95 6.4,71.65 18.25,71.65
  pour cut-out: 17.45,0 17.45,14.4 15.7,16.15 0,16.15 0,0
  region net +5_SBY: 29.5,22.75 29.5,24.35 29.2,24.65 29.2,26.7 30.3,26.7 30.3,24.55 29.95,24.2 29.95,22.75
  region net +5_SBY: 52.4,76.1 52.4,61 54.2,61 54.2,76.1
  region net +3.3: 23.95,49.5 23.95,45.7 25.2,45.7 25.2,49.05 24.75,49.5
  region net +3.3: 7.25,49.5 7.25,47.55 7.45,47.35 7.45,45.65 6.3,45.65 6.3,46.4 6.3,49.5
  region net +5: 49.55,104.75 51.5,102.8 64.2,102.8 64.55,103.15 64.55,105.65 63.15,107.05 57.35,107.05 49.5,107.05 49.5,106.45 49.15,106.1 48.05,106.1 48.05,104.75
  region net +12: 22.75,84 23.85,82.9 40,82.9 41.4,81.5 41.4,74.3 44.2,74.3 44.2,83.35 41.35,86.2 28.3,86.2 24.95,89.55 24.95,91.25 25.6,91.9 32.95,91.9 32.95,93.75 22.45,93.75 21.85,93.15 19.35,93.15 19.35,90.65 20,90.65 20.8,89.85 20.8,87.1 20.8,84
  region net NetC14_1: 15.15,83.275 15.75,83.875 15.75,87.4 19.6,87.4 19.9,87.1 19.9,83.3 18.525,81.925 9.5,81.925 9.5,82.65 9.5,83.275 10.575,83.275 11.05,83.275
  region net +VIN: 65.2,113.65 62.05,116.8 59,116.8 55.7,120.1 55.7,123.6 57.45,123.6 58.1,122.95 58.1,121.7 59.8,120 62.2,120 62.85,120.65 68.55,120.65 69.1,120.1 69.1,114.2 68.55,113.65
  region net NetD2_1: 34.8,116.15 34.8,118.5 35.05,118.75 38.45,118.75 38.75,118.45 38.75,116.15
  region net NetC19_2: 56.9,117.7 60.95,113.65 63.8,113.65 64.5,112.95 64.5,110.45 59.2,110.45 56.65,113 51.95,113 51.75,113.2 50.85,113.2 50.85,113.6 51.75,113.6 52.15,114 52.15,117.7
  region net NetC12_2: 17.75,77.575 17.75,78.325 17.45,78.625 14.05,78.625 13.75,78.325 13.75,77.575
  region net NetC12_2: 10.1,80.975 10.45,80.975 10.8,80.625 11.7,80.625 11.7,81.675 10.8,81.675 10.7,81.575 10.1,81.575
Layer 1:
  region net +5_SBY: 52,73.45 52,79.8 52.9,80.7 52.9,82.15 52,83.05 52,87.4 55,87.4 55,84.4 56.05,83.35 56.05,77.25 54.75,75.95 54.75,73.45
  pour cut-out: 17.45,0 17.45,14.4 15.7,16.15 0,16.15 0,0
Layer 2:
  pour cut-out: 17.45,0 17.45,14.4 15.7,16.15 0,16.15 0,0
Bottom Layer:
  region net USB_4_5_SHLD: 81.399,15.095 78.199,15.095 78.199,6.345 94.449,6.345 94.449,15.045 91.349,15.045 91.349,9.245 81.399,9.245
  region net USB_2_3_SHLD: 59.55,15.05 56.35,15.05 56.35,6.3 72.6,6.3 72.6,15 69.5,15 69.5,9.2 59.55,9.2
  region net +5_SBY: 55.15,87.55 51.8,87.55 51.8,85.55 55.15,85.55
  region net NetC12_2: 10.75,80.625 13.2,80.625 13.95,79.875 13.95,78.075 14.2,77.825 17.3,77.825 17.55,78.075 17.55,80.075 15.75,81.875 10.75,81.875 10.6,81.725 10.6,80.775

## Silkscreen, mask and mechanical layers (free items; w line width, h text height)
Top Overlay:
  lines w0.2: 2.5,0.5 2.5,124.5 ; 3.15,103.15 3.4,103.15 47.2,103.15 50.35,100 51.8,98.55 59.85,98.55 66.75,91.65 80.1,91.65 ; 3.2,105.55 26,105.5 ; 4.6,20.75 4.6,19.25 10.1,19.25 ; 21.1,19.25 26.6,19.25 26.6,20.75 ; 29.65,28.6 33.65,28.6 ; 29.65,79.6 29.65,83.6 33.55,83.6 ; 50.95,102.95 53,100.9 61.65,100.9 68.3,94.25 206.25,94.25 ; 109.65,83.6 113.65,83.6 113.65,79.7 ; 109.75,28.6 113.65,28.6 113.65,32.6 ; 112.9,91.6 206.25,91.6 ; 207.5,0.5 207.5,124.5
  text "POS" at 18.282,122.938 h1.5
  text "GND" at 97.9,92.581 h1.75 r270
  text "RX1" at 100.47,92.431 h1.75 r270
  text "TX1" at 103.01,92.431 h1.75 r270
  text "RX0" at 105.55,92.431 h1.75 r270
  text "TX0" at 108.09,92.431 h1.75 r270
  text "3V3" at 110.525,92.406 h1.75 r270
  text "3V3" at 198.888,83.7 h1.5
  text "CLK" at 198.163,81.17 h1.5
  text "MOSI" at 198.322,78.65 h1.5
  text "MISO" at 198.3,76.05 h1.5
  text "RST" at 118.075,75.406 h1.75 r270
  text "CS" at 198.938,73.51 h1.5
  text "GND" at 198.938,71.1 h1.5
  text "C" at 28.443,42.18 h7.5
  text "GND" at 198.888,40.22 h1.5
  text "CWRUbotix 2020" at 28.75,38.86 h5
  text "CTS#" at 198.113,37.72 h1.5
  text "3V3" at 198.888,35.14 h1.5
  text "CWRUbotix NASA RMC Hardware Team: /  /  • Adam Cordingley /  • Ben Scholar /  • Zachary Baldwin /  • Peter Buglewicz /  • Luca Ciampaglia /  • Jim Horwitz  /  • Nathan Hsiao  /  • Robin James  /  • Kyle Wang" at 72.693,34.38 h2.5
  text "RX" at 198.888,32.6 h1.5
  text "TX" at 198.888,30.06 h1.5
  text "RTS#" at 198.3,27.52 h1.5
  text "BBB PWR" at 182.203,26.438 h1.5
  text "uSD Boot" at 170.103,26.388 h1.5
  text "18V~60V DC" at 5.549,0.312 h2.2 r90
Bottom Overlay:
  text "© CWRUbotix 2020 / NASA RMC Computer Board / Rev 1.0 / cwrubotix.org" at 138.741,59.247 h3
  text "Design Team: /   • Adam Cordingley /   • Ben Scholar" at 134.9,49.438 h2.5
  text "C" at 103.607,34.63 h10
Mechanical 1:
  the board outline again, w0.05

## Dimensions
0,0 to 210,0 on Mechanical 15
0,0 to 0,125 on Mechanical 15